# Altium PCB 20门锁控（7805）.PcbDoc
Units mil, origin at the board's own origin, x right, y up, seen from the top; angles counter-clockwise.
Board outline 3937.01 x 3937.01 mil, 2 copper layers (Top Layer, Bottom Layer); 143 components, 119 nets, 508 pads, 115 vias.
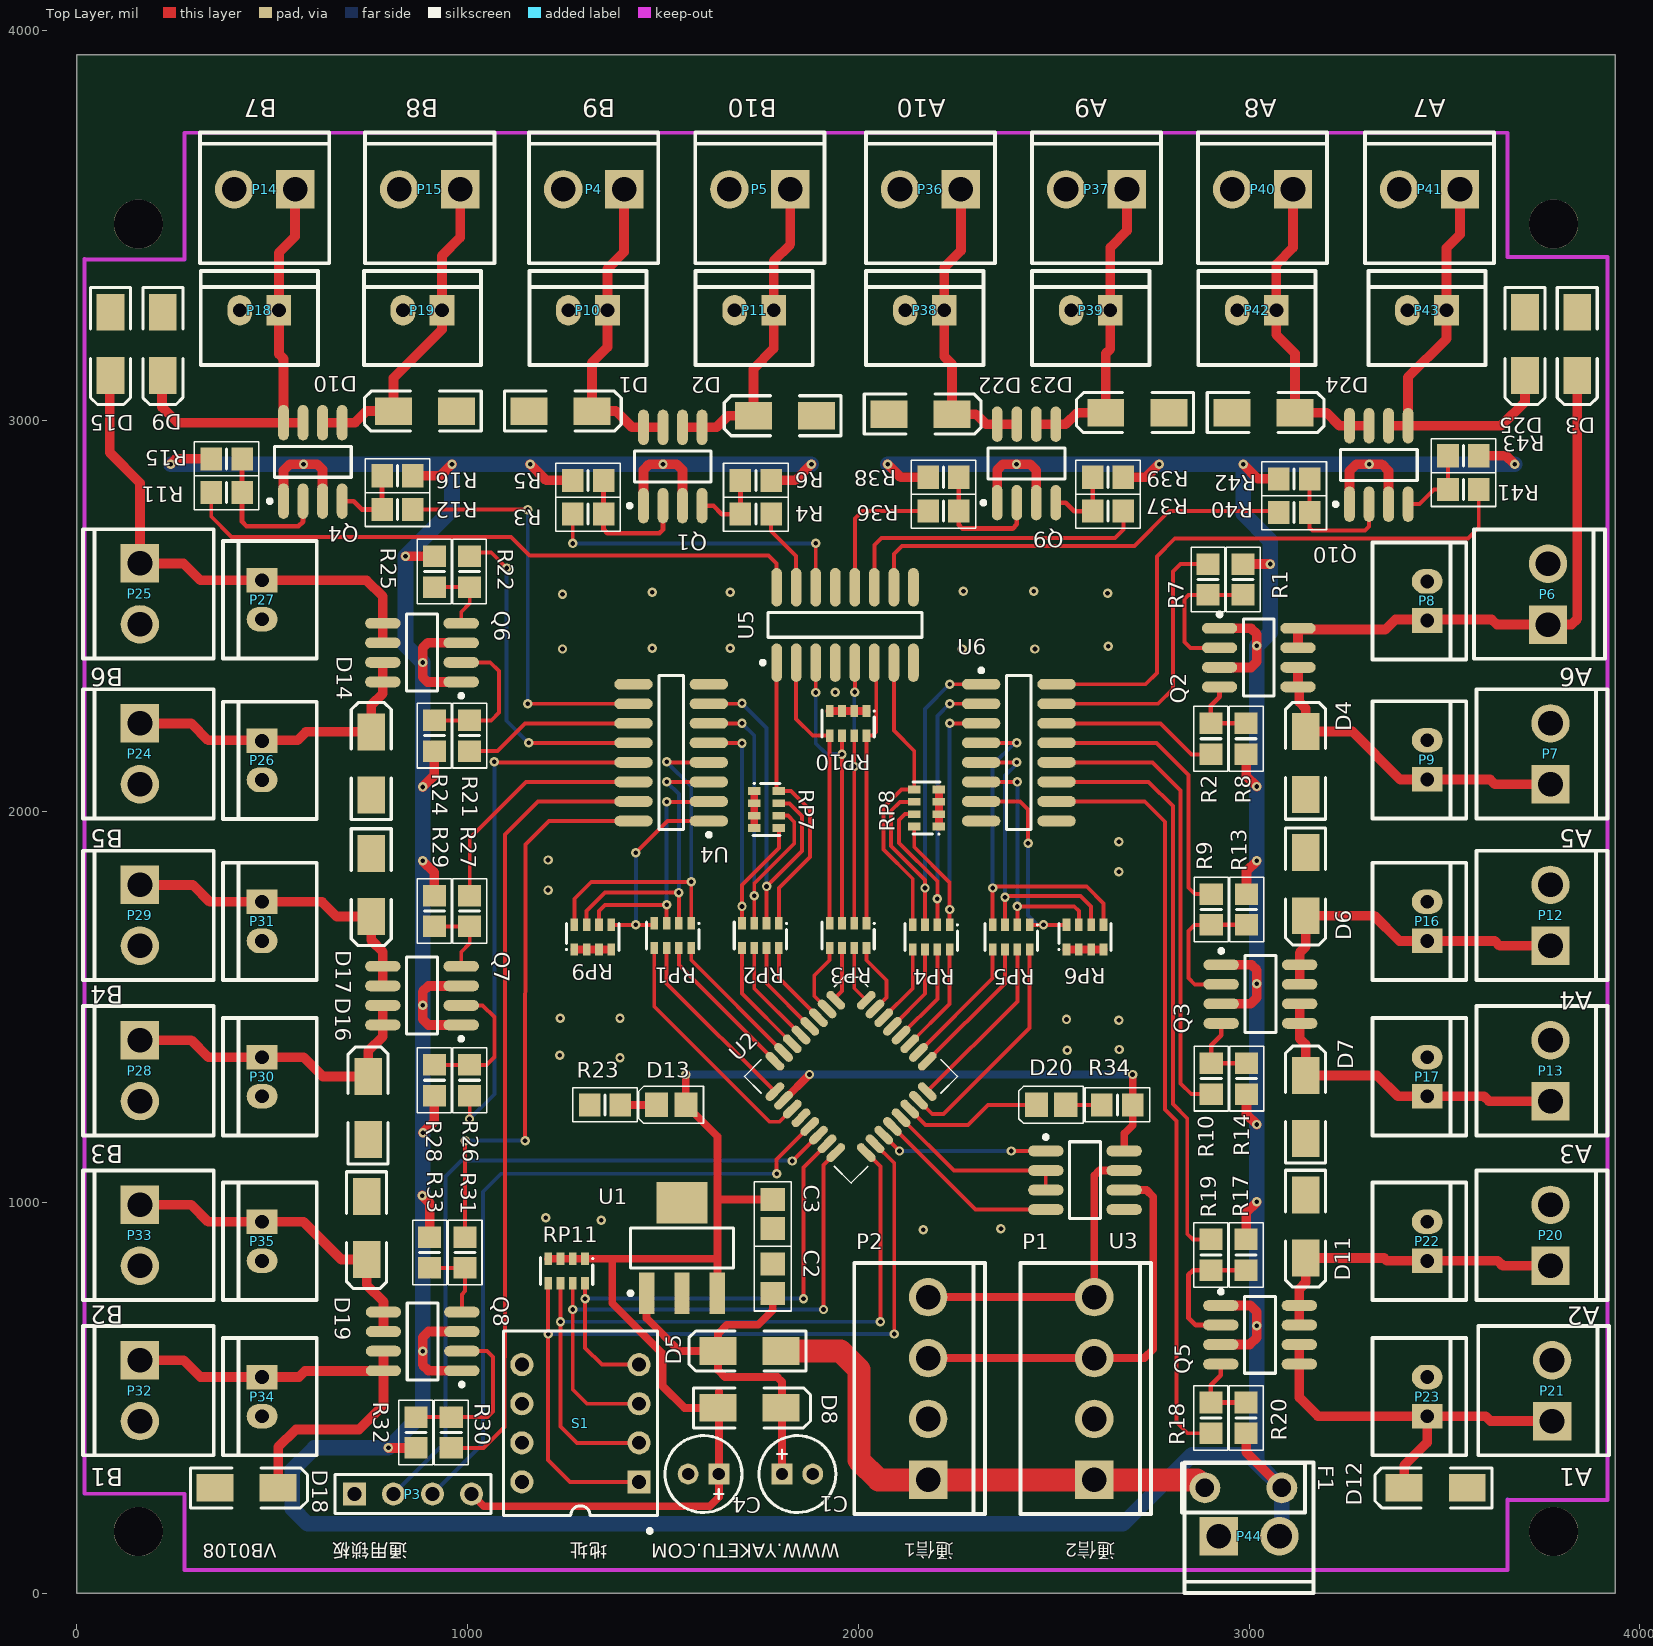
[diagram p0: Top Layer view]
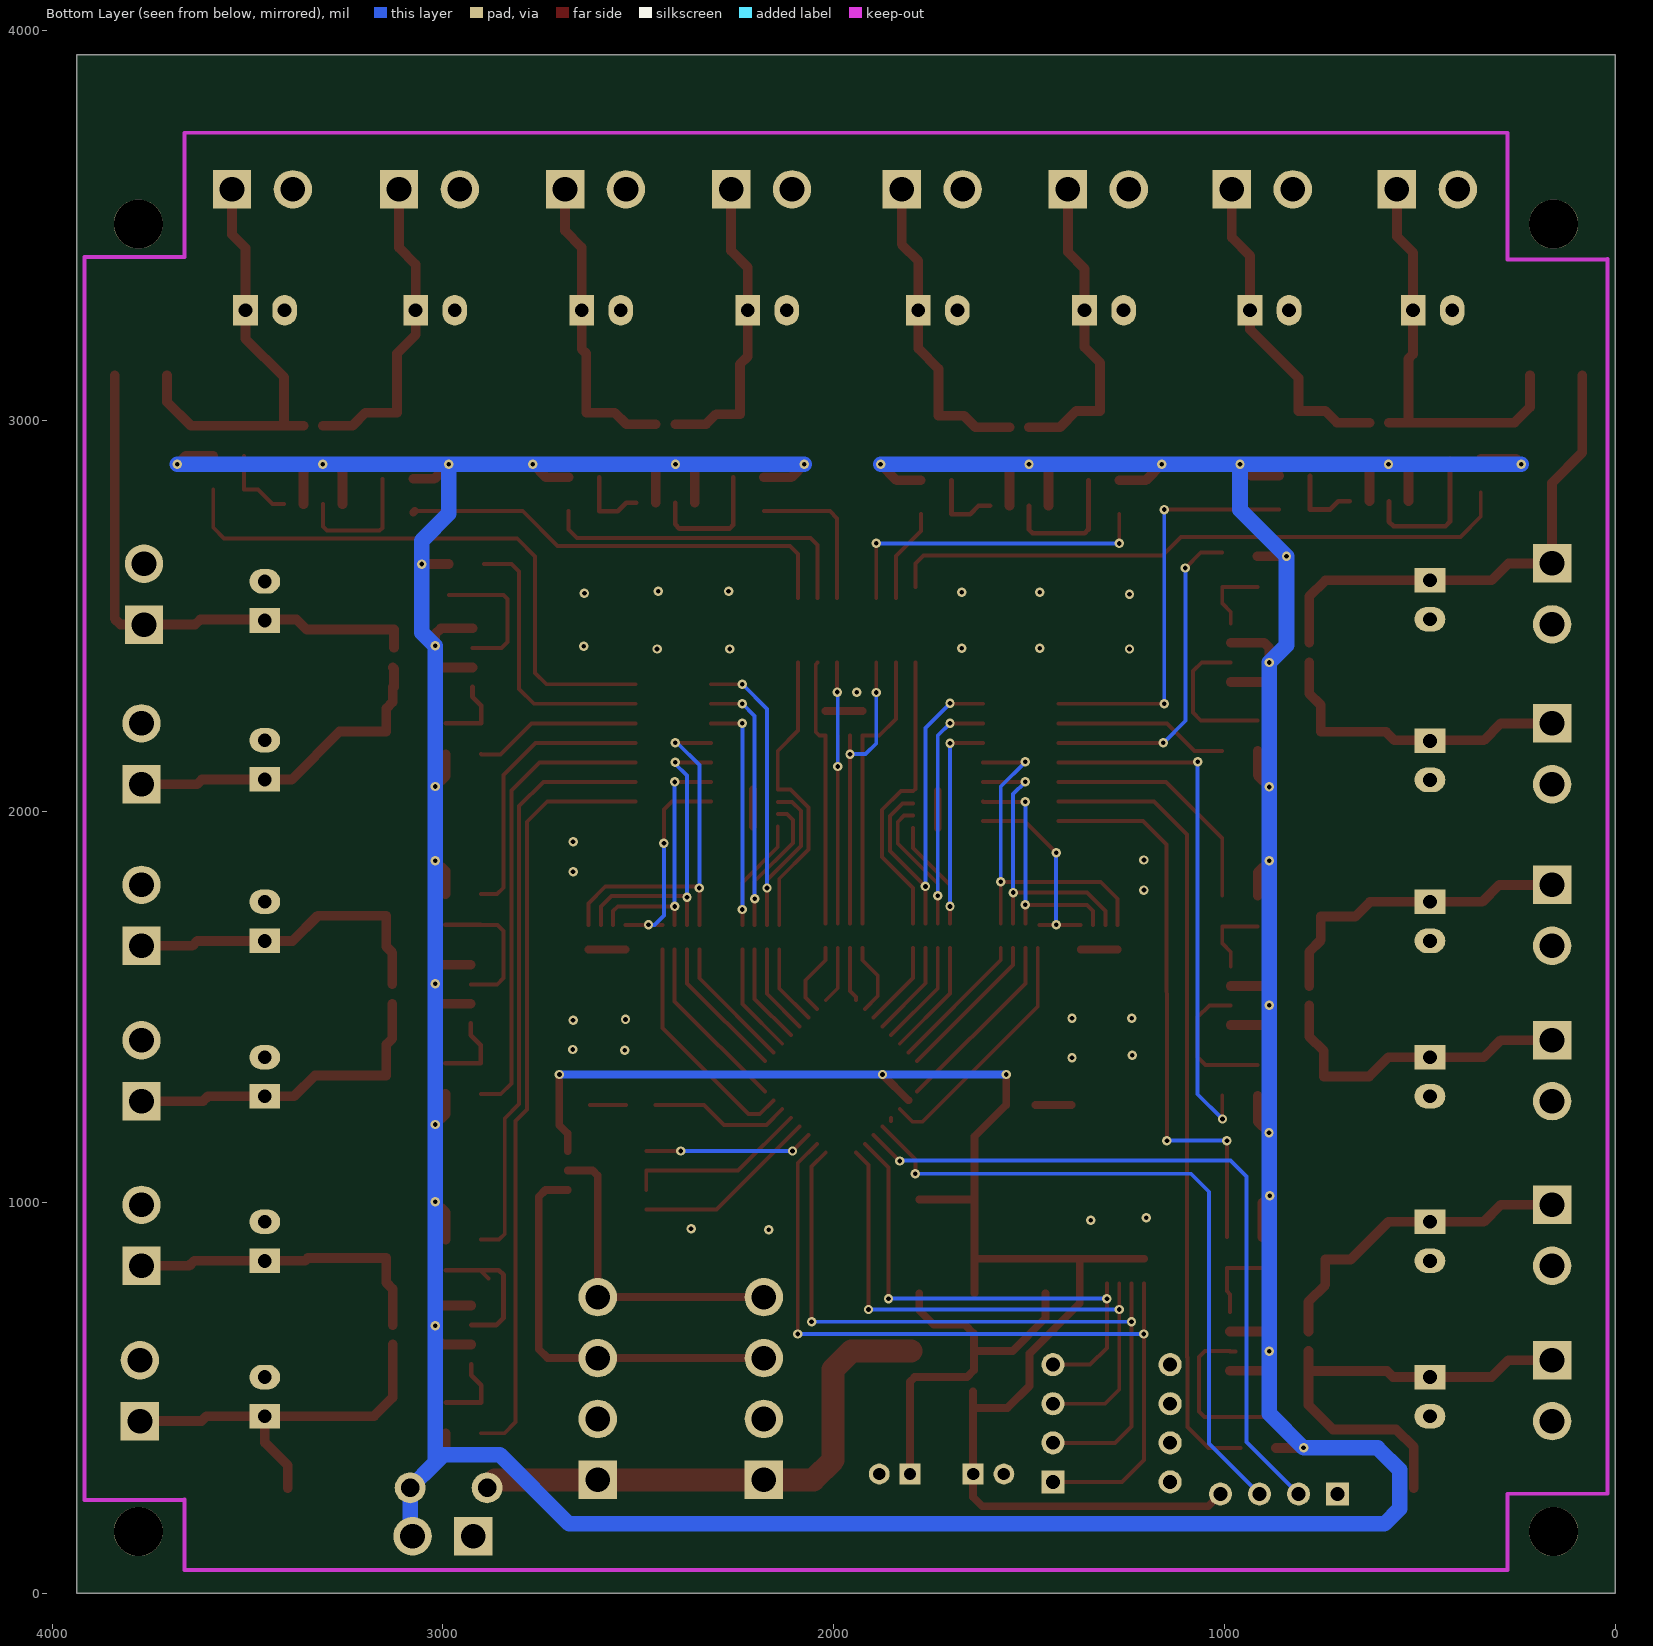
[diagram p1: Bottom Layer view, seen from below]

## Layer stack, top to bottom
Top Solder: solder mask 0.4, Solder Resist, Dk 3.5
Top Layer: signal copper 1.4
Dielectric 1: dielectric 12.6, FR-4, Dk 4.8
Bottom Layer: signal copper 1.4
Bottom Solder: solder mask 0.4, Solder Resist, Dk 3.5

## Board outline
0,0 0,3937.01 3937.01,3937.01 3937.01,0

## Design rules (kind name [scope] priority, off if disabled: settings)
Clearance [All] p1: gap=10
HoleSize [All] p1: absolutevalues=TRUE maxlimit=500 minlimit=1 maxpercent=80.000 minpercent=20.000
PolygonConnect [All] p1: connectstyle=Relief reliefconductorwidth=10 reliefentries=4 polygonreliefangle="90 Angle" airgapwidth=10
RoutingVias [All] p1: holewidth=28 width=50 viastyle="Through Hole" minholewidth=28 minwidth=50 maxholewidth=28 maxwidth=50
SolderMaskExpansion [All] p1: expansion=4
Width [All] p1: maxlimit=157.48 minlimit=10 preferedwidth=10
28 further rules are at their usual default settings.

## Components (designator, comment, footprint, x,y, rotation, side; value= is the part's Value field where it differs from the comment)
C1 "Cap Pol2" CAPPR2-5x11.5 1843.98,304.76 r0 top
C2 "0.1uF" CAPC2012M 1780.98,804.76 r270 top
C3 "0.1uF" CAPC2012M 1780.98,970.12 r270 top
C4 "Cap Pol2" CAPPR2-5x11.5 1603.82,304.76 r180 top
D1 "1N4007" DSO-C2/X1.8 1237.68,3025.24 r0 top
D2 "1N4007" DSO-C2/X1.8 1812.48,3013.43 r180 top
D3 "1N4007" DSO-C2/X1.8 3840.04,3197.52 r270 top
D4 "1N4007" DSO-C2/X1.8 3145,2124.37 r90 top
D5 "1N4007" DSO-C2/X1.8 1721.93,619.72 r180 top
D6 "1N4007" DSO-C2/X1.8 3145,1814.37 r270 top
D7 "1N4007" DSO-C2/X1.8 3145,1244.37 r90 top
D8 "1N4007" DSO-C2/X1.8 1721.93,474.06 r0 top
D9 "1N4007" DSO-C2/X1.8 219.99,3197.52 r270 top
D10 "1N4007" DSO-C2/X1.8 891.22,3025.24 r180 top
D11 "1N4007" DSO-C2/X1.8 3145,938.62 r270 top
D12 "1N4007" DSO-C2/X1.8 3477.84,269.33 r180 top
D13 "LED" LED2012M 1521.14,1249.65 r180 top
D14 "1N4007" DSO-C2/X1.8 753.43,2123.66 r90 top
D15 "1N4007" DSO-C2/X1.8 86.13,3197.52 r270 top
D16 "1N4007" DSO-C2/X1.8 745.55,1241.77 r90 top
D17 "1N4007" DSO-C2/X1.8 753.43,1812.64 r270 top
D18 "1N4007" DSO-C2/X1.8 434.53,269.33 r0 top
D19 "1N4007" DSO-C2/X1.8 741.61,934.69 r270 top
D20 "LED" LED2012M 2493.58,1249.65 r180 top
D22 "1N4007" DSO-C2/X1.8 2158.94,3017.36 r0 top
D23 "1N4007" DSO-C2/X1.8 2714.06,3021.3 r180 top
D24 "1N4007" DSO-C2/X1.8 3036.89,3021.3 r0 top
D25 "1N4007" DSO-C2/X1.8 3706.18,3197.52 r270 top
F1 "Fuse" SR075 2887.28,269.33 r0 top
P1 "Header 4" VH396-4 2749.49,202.4 r90 top
P2 "Header 4" VH396-4 2324.29,202.4 r90 top
P3 "Header 4" HDR1X4 710.12,253.58 r0 top
P4 "Header 2" VH396-2 1487.99,3738.46 r180 top
P5 "Header 2" VH396-2 1913.39,3738.46 r180 top
P6 "Header 2" VH396-2 3910.91,2391.38 r90 top
P7 "Header 2" VH396-2 3917.32,1982.72 r90 top
P8 "Header 2" XH254-2 3456,2489.37 r90 top
P9 "Header 2" XH254-2 3456,2082.72 r90 top
P10 "Header 2" XH254-2 1357.99,3283.37 r180 top
P11 "Header 2" XH254-2 1783.39,3283.37 r180 top
P12 "Header 2" VH396-2 3917.32,1569.33 r90 top
P13 "Header 2" VH396-2 3917.32,1171.69 r90 top
P14 "Header 2" VH396-2 645.87,3738.46 r180 top
P15 "Header 2" VH396-2 1068.39,3738.46 r180 top
P16 "Header 2" XH254-2 3456,1669.33 r90 top
P17 "Header 2" XH254-2 3456,1271.69 r90 top
P18 "Header 2" XH254-2 517,3283.37 r180 top
P19 "Header 2" XH254-2 934.53,3283.37 r180 top
P20 "Header 2" VH396-2 3917.32,750.43 r90 top
P21 "Header 2" VH396-2 3921.26,352.8 r90 top
P22 "Header 2" XH254-2 3456,850.43 r90 top
P23 "Header 2" XH254-2 3456,452.8 r90 top
P24 "Header 2" VH396-2 15.75,2313.43 r270 top
P25 "Header 2" VH396-2 15.75,2722.87 r270 top
P26 "Header 2" XH254-2 474,2181.37 r270 top
P27 "Header 2" XH254-2 474,2592.37 r270 top
P28 "Header 2" VH396-2 15.75,1502.4 r270 top
P29 "Header 2" VH396-2 15.75,1900.04 r270 top
P30 "Header 2" XH254-2 474,1371.69 r270 top
P31 "Header 2" XH254-2 474,1769.33 r270 top
P32 "Header 2" VH396-2 15.75,683.5 r270 top
P33 "Header 2" VH396-2 15.75,1081.14 r270 top
P34 "Header 2" XH254-2 474,552.8 r270 top
P35 "Header 2" XH254-2 474,950.43 r270 top
P36 "Header 2" VH396-2 2350,3738.46 r180 top
P37 "Header 2" VH396-2 2775,3738.46 r180 top
P38 "Header 2" XH254-2 2220,3283.37 r180 top
P39 "Header 2" XH254-2 2645,3283.37 r180 top
P40 "Header 2" VH396-2 3200,3738.46 r180 top
P41 "Header 2" VH396-2 3627.44,3738.46 r180 top
P42 "Header 2" XH254-2 3070,3283.37 r180 top
P43 "Header 2" XH254-2 3505.39,3283.37 r180 top
P44 "Header 2" VH396-2 2834.65,0 r0 top
Q1 "SI4953DY" SO8_M 1525.08,2883.5 r90 top
Q2 "SI4953DY" SO8_M 3025,2394.37 r0 top
Q3 "SI4953DY" SO8_M 3029.26,1533.17 r0 top
Q4 "SI4953DY" SO8_M 603.82,2895.32 r90 top
Q5 "SI4953DY" SO8_M 3028.26,661.09 r0 top
Q6 "SI4953DY" SO8_M 883.35,2407.13 r180 top
Q7 "SI4953DY" SO8_M 883.35,1529.17 r180 top
Q8 "SI4953DY" SO8_M 885,644.37 r180 top
Q9 "SI4953DY" SO8_M 2430.59,2891.38 r90 top
Q10 "SI4953DY" SO8_M 3332.17,2887.44 r90 top
R1 "10K" RESC2012M 2895,2594.37 r270 top
R2 "10K" RESC2012M 2902.28,2186.65 r90 top
R3 "10K" RESC2012M 1308.54,2761.46 r0 top
R4 "10K" RESC2012M 1737.68,2761.46 r180 top
R5 "10K" RESC2012M 1308.54,2848.07 r180 top
R6 "10K" RESC2012M 1737.68,2848.07 r0 top
R7 "10K" RESC2012M 2985,2594.37 r90 top
R8 "10K" RESC2012M 2992.83,2186.65 r270 top
R9 "10K" RESC2012M 2903.28,1749.71 r270 top
R10 "10K" RESC2012M 2903.28,1316.64 r90 top
R11 "10K" RESC2012M 383.35,2816.57 r0 top
R12 "10K" RESC2012M 820.35,2773.27 r180 top
R13 "10K" RESC2012M 2993.83,1749.71 r90 top
R14 "10K" RESC2012M 2993.83,1316.64 r270 top
R15 "10K" RESC2012M 383.35,2903.19 r180 top
R16 "10K" RESC2012M 820.35,2859.88 r0 top
R17 "10K" RESC2012M 2902.28,865.82 r270 top
R18 "10K" RESC2012M 2902.28,448.5 r90 top
R19 "10K" RESC2012M 2992.83,865.82 r90 top
R20 "10K" RESC2012M 2992.83,448.5 r270 top
R21 "10K" RESC2012M 1005.39,2194.53 r90 top
R22 "10K" RESC2012M 1005,2614.37 r270 top
R23 "1K" RESC2012M 1351.85,1249.65 r0 top
R24 "10K" RESC2012M 914.84,2194.53 r270 top
R25 "10K" RESC2012M 915,2614.37 r90 top
R26 "10K" RESC2012M 1005.39,1312.64 r90 top
R27 "10K" RESC2012M 1005.39,1745.71 r270 top
R28 "10K" RESC2012M 914.84,1312.64 r270 top
R29 "10K" RESC2012M 914.84,1745.71 r90 top
R30 "10K" RESC2012M 958.15,411.06 r90 top
R31 "10K" RESC2012M 993.58,871.69 r270 top
R32 "10K" RESC2012M 867.6,411.06 r270 top
R33 "10K" RESC2012M 903.03,871.69 r90 top
R34 "1K" RESC2012M 2662.87,1249.65 r0 top
R36 "10K" RESC2012M 2217.99,2769.33 r0 top
R37 "10K" RESC2012M 2639.25,2769.33 r180 top
R38 "10K" RESC2012M 2217.99,2855.94 r180 top
R39 "10K" RESC2012M 2639.25,2855.94 r0 top
R40 "10K" RESC2012M 3115.63,2765.39 r0 top
R41 "10K" RESC2012M 3548.7,2824.45 r180 top
R42 "10K" RESC2012M 3115.63,2852.01 r180 top
R43 "10K" RESC2012M 3548.7,2911.06 r0 top
RP1 "500" EXB38V 1525.08,1682.72 r180 top
RP2 "500" EXB38V 1749.49,1682.72 r180 top
RP3 "500" EXB38V 1973.9,1682.72 r180 top
RP4 "500" EXB38V 2186.5,1678.78 r180 top
RP5 "500" EXB38V 2391.22,1678.78 r180 top
RP6 "1K" EXB38V 2580.2,1678.78 r0 top
RP7 "1K" EXB38V 1765.24,2005.55 r270 top
RP8 "1K" EXB38V 2174.69,2009.49 r90 top
RP9 "1K" EXB38V 1320.35,1678.78 r0 top
RP10 "1K" EXB38V 1973.9,2226.02 r180 top
RP11 "10K" EXB38V 1253.43,824.45 r180 top
S1 "SW DIP-4" SWITCH-8 1288.86,434.69 r180 top
U1 "LM7805" SOT223-4M 1548.7,883.5 r90 top
U2 "STC15W408S_LQFP32" LQFP32 1942.4,1517.36 r315 top
U3 "MAX485ESA" SO8_M 2580.2,1056.73 r0 top
U4 "ULN2003" SO16_M 1521.14,2151.22 r180 top
U5 "ULN2003" SO16_M 1966.02,2477.99 r90 top
U6 "ULN2003" SO16_M 2410.91,2151.22 r0 top

## Footprints (in the part's own frame and the unit in brackets; to place one, negate y for a bottom-side part, rotate by r counter-clockwise, add the part's x,y. Pads: shape width x height; smd on the part's side, far side on the other; paste and mask are expansions set on the pad)
CAPC2012M [mm] "Chip Capacitor, Body 2.0x1.3mm, IPC Low Density"
  rect 1.5x1.6 smd: 1(-0.95,0) 2(0.95,0)
  silkscreen extent -2.1,-1.2 2.1,1.2, body extent -1.1,-0.72 1.1,0.72, height 1.1
CAPPR2-5x11.5 [mm] "Capacitor, Electrolytic, Radial; Body 5 x 11.5 mm (Dia.xH typ); Pin Spacing 2 mm (typ)"
  rect 1.35x1.35 hole 0.8: 1(-1,0)
  round 1.35 hole 0.8: 2(1,0)
  silkscreen extent -2.5,-2.5 2.5,2.5
DSO-C2/X1.8 [mm] "DO-214-AC/SMA; 2 C-Bend Leads; Body 5 x 2.7 mm, inc. leads (LxW)"
  rect 2.4x1.8 smd: 1(-2.05,0) 2(2.05,0)
  silkscreen extent -3.65,-1.3 3.95,1.3
EXB38V [mm] "Chip Resistor Array, (0603x4); SM; 8 Leads; Body 3.40 x 1.75 mm (LxW max)"
  rect 0.5x0.8 smd: 1(-1.2,-0.8) 2(-0.4,-0.8) 3(0.4,-0.8) 4(1.2,-0.8) 5(1.2,0.8) 6(0.4,0.8) 7(-0.4,0.8) 8(-1.2,0.8)
  silkscreen extent -1.75,-0.87 1.7,0.87
HDR1X4 [mm] "Connector; Header; 4 Position"
  rect 1.5x1.5 hole 0.9: 1(0,0)
  round 1.5 hole 0.9: 2(2.54,0) 3(5.08,0) 4(7.62,0)
  silkscreen extent -1.27,-1.27 8.89,1.27
LED2012M [mm] "Chip LED, Body 2.0x1.3mm, IPC Low Density"
  rect 1.5x1.6 smd: 1(-0.95,0) 2(0.95,0)
  silkscreen extent -2.1,-1.2 2.1,1.2, body extent -1.1,-0.72 1.1,0.72, height 1.1
LQFP32 [mm]
  oval 1.5x0.55 smd: 1(0,0) 2(0,-0.8) 3(0,-1.6) 4(0,-2.4) 5(0,-3.2) 6(0,-4) 7(0,-4.8) 8(0,-5.6) 17(8.4,-5.6) 18(8.4,-4.8) 19(8.4,-4) 20(8.4,-3.2) 21(8.4,-2.4) 22(8.4,-1.6) 23(8.4,-0.8) 24(8.4,0)
  oval 0.55x1.5 smd: 9(1.4,-7) 10(2.2,-7) 11(3,-7) 12(3.8,-7) 13(4.6,-7) 14(5.4,-7) 15(6.2,-7) 16(7,-7) 25(7,1.4) 26(6.2,1.4) 27(5.4,1.4) 28(4.6,1.4) 29(3.8,1.4) 30(3,1.4) 31(2.2,1.4) 32(1.4,1.4)
  silkscreen extent -0.7,-7.7 9.1,2.1
RESC2012M [mm] "Chip Resistor, Body 2.0x1.3mm, IPC Low Density"
  rect 1.4x1.5 smd: 1(-1,0) 2(1,0)
  silkscreen extent -2.1,-1.1 2.1,1.1, body extent -1.07,-0.7 1.07,0.7, height 0.65
SO8_M [mm] "SOIC, 8-Leads, Body 4.9x3.9mm, Pitch 1.27mm, IPC Low Density"
  oval 2.3x0.7 smd: 1(-2.55,1.905) 2(-2.55,0.635) 3(-2.55,-0.635) 4(-2.55,-1.905) 5(2.55,-1.905) 6(2.55,-0.635) 7(2.55,0.635) 8(2.55,1.905)
  silkscreen extent -2.67,-2.5 1,2.93, body extent -2,-2.5 2,2.5, height 1.75
SO16_M [mm] "SOIC, 16-Leads, Body 9.9x3.9mm, Pitch 1.27mm, IPC Low Density"
  oval 2.5x0.7 smd: 1(-2.45,4.445) 2(-2.45,3.175) 3(-2.45,1.905) 4(-2.45,0.635) 5(-2.45,-0.635) 6(-2.45,-1.905) 7(-2.45,-3.175) 8(-2.45,-4.445) 9(2.45,-4.445) 10(2.45,-3.175) 11(2.45,-1.905) 12(2.45,-0.635) 13(2.45,0.635) 14(2.45,1.905) 15(2.45,3.175) 16(2.45,4.445)
  silkscreen extent -2.58,-5 0.8,5.47, body extent -2,-5 2,5, height 1.75
SOT223-4M [mm] "SOT223/SC73, 4-Leads, Body 6.5x3.5mm, Pitch 2.3mm, Lead Span 7mm, IPC Low Density"
  rect 2.7x1 smd: 1(-2.95,2.3) 2(-2.95,0) 3(-2.95,-2.3)
  rect 2.7x3.3 smd: 4(2.95,0)
  silkscreen extent -3.07,-3.35 1.3,3.47, body extent -1.85,-3.35 1.85,3.35, height 1.8
SR075 [mm]
  round 2 hole 1.2: 1(0,0) 2(5,0)
  silkscreen extent -1.5,-1.6 6.5,1.6
SWITCH-8 [mm] "DIP; 8 Leads; Row Spacing 7.62 mm; Pitch 2.54 mm"
  rect 1.5x1.5 hole 0.9: 1(-3.81,3.81)
  round 1.5 hole 0.9: 2(-3.81,1.27) 3(-3.81,-1.27) 4(-3.81,-3.81) 5(3.81,-3.81) 6(3.81,-1.27) 7(3.81,1.27) 8(3.81,3.81)
  silkscreen extent -5,-6 5,7.12, body extent -5,-6 5,6, height 6.2
VH396-2 [mm]
  rect 2.5x2.5 hole 1.6: 1(2.22,3.7)
  round 2.5 hole 1.6: 2(6.18,3.7)
  silkscreen extent 0,0 8.4,8.5
VH396-4 [mm]
  rect 2.5x2.5 hole 1.6: 1(2.22,3.7)
  round 2.5 hole 1.6: 2(6.18,3.7) 3(10.14,3.7) 4(14.1,3.7)
  silkscreen extent 0,0 16.32,8.5
XH254-2 [mm]
  rect 1.6x2 hole 0.9: 1(0,0)
  oval 1.6x2 hole 0.9: 2(2.54,0)
  silkscreen extent -2.54,-2.54 5.08,3.56

## Part data
C1 C4: "Polarized Capacitor (22uf-47uf)"
C2 C3: library part Cap, "Capacitor"
D1 D2 D3 D4 D5 D6 D7 D8 D9 D10 D11 D12 D14 D15 D16 D17 D18 D19 D22 D23 D24 D25: library part Diode, "Default Diode"
D13 D20: "Typical INFRARED GaAs LED"
P1 P2 P3: "Header, 4-Pin"
P4 P5 P6 P7 P8 P9 P10 P11 P12 P13 P14 P15 P16 P17 P18 P19 P20 P21 P22 P23 P24 P25 P26 P27 P28 P29 P30 P31 P32 P33 P34 P35 P36 P37 P38 P39 P40 P41 P42 P43 P44: "Header, 2-Pin"
Q1 Q2 Q3 Q4 Q5 Q6 Q7 Q8 Q9 Q10: "Dual P-Channel 30V (D-S) Rated  MOSFET"
R1 R2 R3 R4 R5 R6 R7 R8 R9 R10 R11 R12 R13 R14 R15 R16 R17 R18 R19 R20 R21 R22 R23 R24 R25 R26 R27 R28 R29 R30 R31 R32 R33 R34 R36 R37 R38 R39 R40 R41 R42 R43: library part Res, "Resistor"
RP1 RP2 RP3 RP4 RP5 RP6 RP7 RP8 RP9 RP10 RP11: library part "Res Pack"
S1: "DIP Switch, 4 Position, SPST"
U3: "Low-Power, Slew-Rate-Limited RS-485/RS-422 Transceiver"
U4 U5 U6: "Seven Darlington Array"

## Free pads (board coordinates)
  round 125.98 hole 125.98 unplated paste+0: 0(157.48,157.48) 0(157.48,3503.94) 0(3779.53,157.48) 0(3779.53,3503.94)

## Via types
v1: diameter 24, hole 12, Top Layer to Bottom Layer, 115 vias
